# Altium PCB FMC_ADC_100M_10B_16CHA_TDC.PcbDoc (part 3 of 12)
Units mil, origin at the board's own origin, x right, y up, seen from the top; angles counter-clockwise.
Board outline 3037.39 x 2716.54 mil, 6 copper layers (TOP, G1, L2, L3, P3, BOTTOM), stack 50.475 mil thick; 720 components, 633 nets, 2798 pads, 1593 vias.
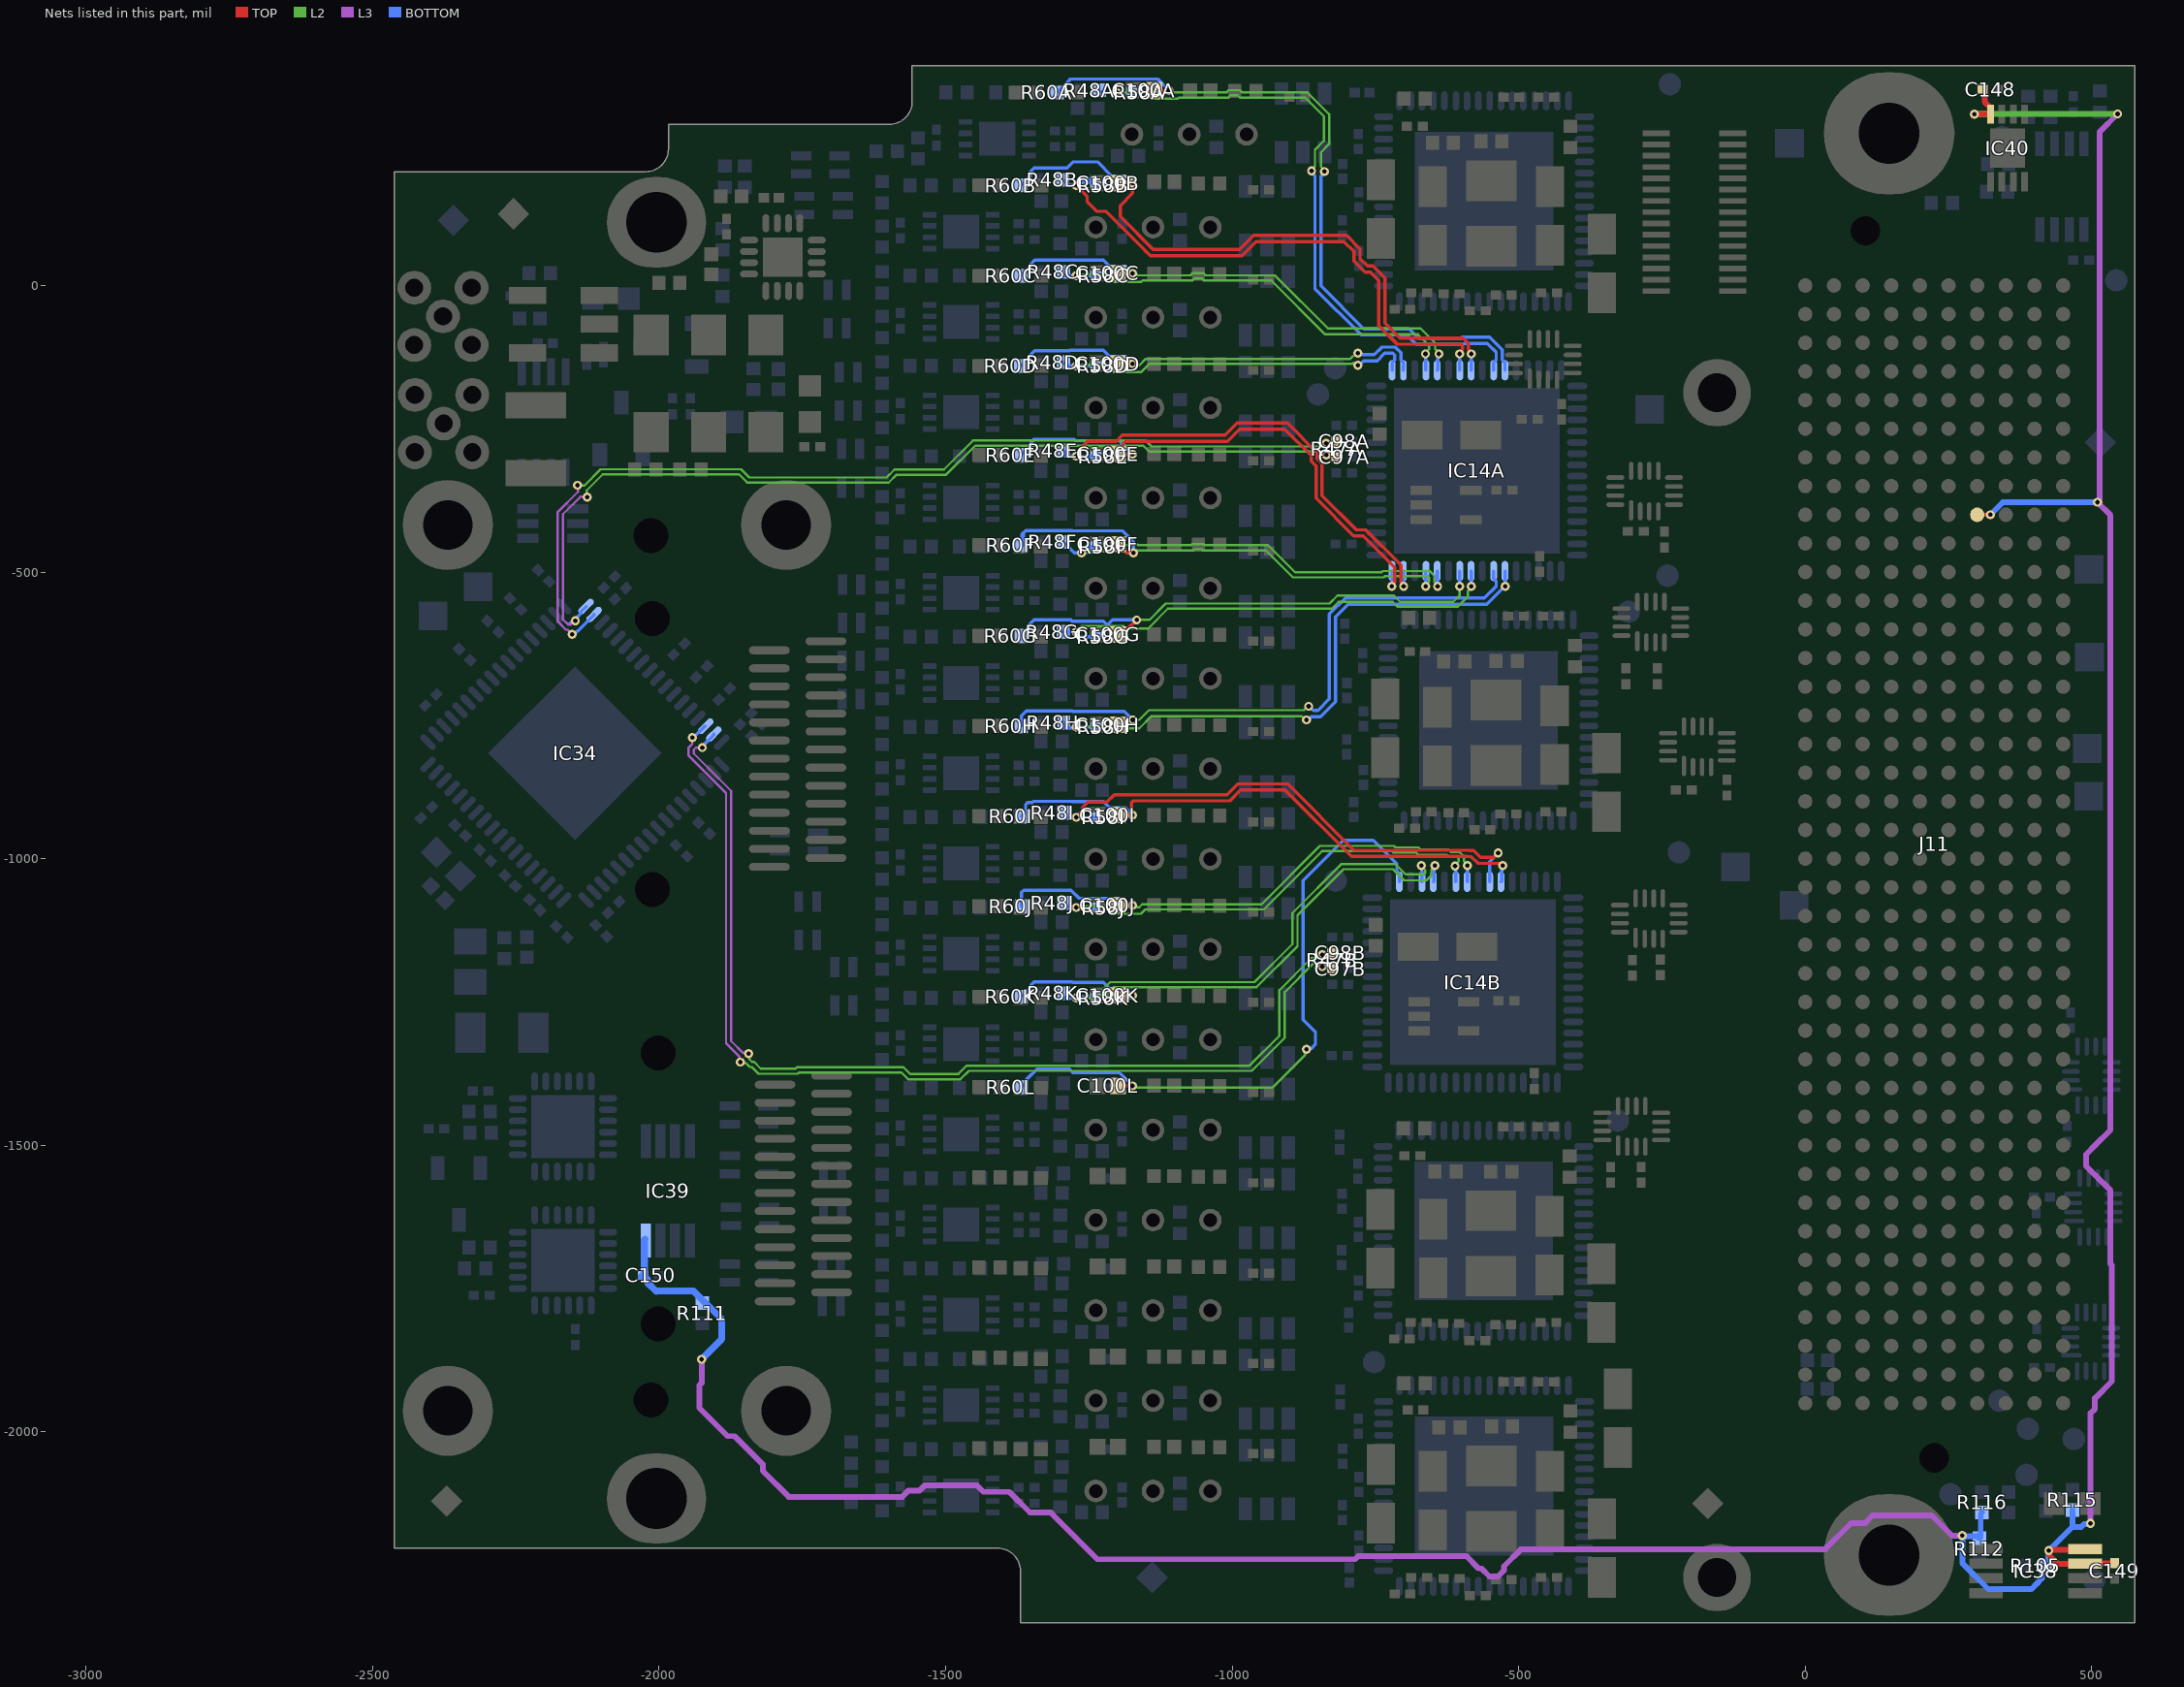
[diagram p7: the nets of this part, all layers, seen from the top]

## Footprints (in the part's own frame and the unit in brackets; to place one, negate y for a bottom-side part, rotate by r counter-clockwise, add the part's x,y. Pads: shape width x height; smd on the part's side, far side on the other; paste and mask are expansions set on the pad) (continued)
SAMTEC_ASP-134488-01 [mm] "Connector VITA 57, 400 Male contacts in 10 row abcdefghj"
  round 1 hole 1.3 unplated mask+0.3: 1(-27.191,-3.048) 2(27.191,0)
  round 0.64 smd: a1(24.765,5.715) a2(23.495,5.715) a3(22.225,5.715) a4(20.955,5.715) a5(19.685,5.715) a6(18.415,5.715) a7(17.145,5.715) a8(15.875,5.715) a9(14.605,5.715) a10(13.335,5.715) a11(12.065,5.715) a12(10.795,5.715) a13(9.525,5.715) a14(8.255,5.715) a15(6.985,5.715) a16(5.715,5.715) a17(4.445,5.715) a18(3.175,5.715) a19(1.905,5.715) a20(0.635,5.715) a21(-0.635,5.715) a22(-1.905,5.715) a23(-3.175,5.715) a24(-4.445,5.715) a25(-5.715,5.715) a26(-6.985,5.715) a27(-8.255,5.715) a28(-9.525,5.715) a29(-10.795,5.715) a30(-12.065,5.715) a31(-13.335,5.715) a32(-14.605,5.715) a33(-15.875,5.715) a34(-17.145,5.715) a35(-18.415,5.715) a36(-19.685,5.715) a37(-20.955,5.715) a38(-22.225,5.715) a39(-23.495,5.715) a40(-24.765,5.715) b1(24.765,4.445) b2(23.495,4.445) b3(22.225,4.445) b4(20.955,4.445) b5(19.685,4.445) b6(18.415,4.445) b7(17.145,4.445) b8(15.875,4.445) b9(14.605,4.445) b10(13.335,4.445) b11(12.065,4.445) b12(10.795,4.445) b13(9.525,4.445) b14(8.255,4.445) b15(6.985,4.445) b16(5.715,4.445) b17(4.445,4.445) b18(3.175,4.445) b19(1.905,4.445) b20(0.635,4.445) b21(-0.635,4.445) b22(-1.905,4.445) b23(-3.175,4.445) b24(-4.445,4.445) b25(-5.715,4.445) b26(-6.985,4.445) b27(-8.255,4.445) b28(-9.525,4.445) b29(-10.795,4.445) b30(-12.065,4.445) b31(-13.335,4.445) b32(-14.605,4.445) b33(-15.875,4.445) b34(-17.145,4.445) b35(-18.415,4.445) b36(-19.685,4.445) b37(-20.955,4.445) b38(-22.225,4.445) b39(-23.495,4.445) b40(-24.765,4.445) c1(24.765,3.175) c2(23.495,3.175) c3(22.225,3.175) c4(20.955,3.175) c5(19.685,3.175) c6(18.415,3.175) c7(17.145,3.175) c8(15.875,3.175) c9(14.605,3.175) c10(13.335,3.175) c11(12.065,3.175) c12(10.795,3.175) c13(9.525,3.175) c14(8.255,3.175) c15(6.985,3.175) c16(5.715,3.175) c17(4.445,3.175) c18(3.175,3.175) c19(1.905,3.175) c20(0.635,3.175) c21(-0.635,3.175) c22(-1.905,3.175) c23(-3.175,3.175) c24(-4.445,3.175) c25(-5.715,3.175) c26(-6.985,3.175) c27(-8.255,3.175) c28(-9.525,3.175) c29(-10.795,3.175) c30(-12.065,3.175) c31(-13.335,3.175) c32(-14.605,3.175) c33(-15.875,3.175) c34(-17.145,3.175) c35(-18.415,3.175) c36(-19.685,3.175) c37(-20.955,3.175) c38(-22.225,3.175) c39(-23.495,3.175) c40(-24.765,3.175) d1(24.765,1.905) d2(23.495,1.905) d3(22.225,1.905) d4(20.955,1.905) d5(19.685,1.905) d6(18.415,1.905) d7(17.145,1.905) d8(15.875,1.905) d9(14.605,1.905) d10(13.335,1.905) d11(12.065,1.905) d12(10.795,1.905) d13(9.525,1.905) d14(8.255,1.905) d15(6.985,1.905) d16(5.715,1.905) d17(4.445,1.905) d18(3.175,1.905) d19(1.905,1.905) d20(0.635,1.905) d21(-0.635,1.905) d22(-1.905,1.905) d23(-3.175,1.905) d24(-4.445,1.905) d25(-5.715,1.905) d26(-6.985,1.905) d27(-8.255,1.905) d28(-9.525,1.905) d29(-10.795,1.905) d30(-12.065,1.905) d31(-13.335,1.905) d32(-14.605,1.905) d33(-15.875,1.905) d34(-17.145,1.905) d35(-18.415,1.905) d36(-19.685,1.905) d37(-20.955,1.905) d38(-22.225,1.905) d39(-23.495,1.905) d40(-24.765,1.905) e1(24.765,0.635) e2(23.495,0.635) e3(22.225,0.635) e4(20.955,0.635) e5(19.685,0.635) e6(18.415,0.635) e7(17.145,0.635) e8(15.875,0.635) e9(14.605,0.635) e10(13.335,0.635) e11(12.065,0.635) e12(10.795,0.635) e13(9.525,0.635) e14(8.255,0.635) e15(6.985,0.635) e16(5.715,0.635) e17(4.445,0.635) e18(3.175,0.635) e19(1.905,0.635) e20(0.635,0.635) e21(-0.635,0.635) e22(-1.905,0.635) e23(-3.175,0.635) e24(-4.445,0.635) e25(-5.715,0.635) e26(-6.985,0.635) e27(-8.255,0.635) e28(-9.525,0.635) e29(-10.795,0.635) e30(-12.065,0.635) e31(-13.335,0.635) e32(-14.605,0.635) e33(-15.875,0.635) e34(-17.145,0.635) e35(-18.415,0.635) e36(-19.685,0.635) e37(-20.955,0.635) e38(-22.225,0.635) e39(-23.495,0.635) e40(-24.765,0.635) f1(24.765,-0.635) f2(23.495,-0.635) f3(22.225,-0.635) f4(20.955,-0.635) f5(19.685,-0.635) f6(18.415,-0.635) f7(17.145,-0.635) f8(15.875,-0.635) f9(14.605,-0.635) f10(13.335,-0.635) f11(12.065,-0.635) f12(10.795,-0.635) f13(9.525,-0.635) f14(8.255,-0.635) f15(6.985,-0.635) f16(5.715,-0.635) f17(4.445,-0.635) f18(3.175,-0.635) f19(1.905,-0.635) f20(0.635,-0.635) f21(-0.635,-0.635) f22(-1.905,-0.635) f23(-3.175,-0.635) f24(-4.445,-0.635) f25(-5.715,-0.635) f26(-6.985,-0.635) f27(-8.255,-0.635) f28(-9.525,-0.635) f29(-10.795,-0.635) f30(-12.065,-0.635) f31(-13.335,-0.635) f32(-14.605,-0.635) f33(-15.875,-0.635) f34(-17.145,-0.635) f35(-18.415,-0.635) f36(-19.685,-0.635) f37(-20.955,-0.635) f38(-22.225,-0.635) f39(-23.495,-0.635) f40(-24.765,-0.635) g1(24.765,-1.905) g2(23.495,-1.905) g3(22.225,-1.905) g4(20.955,-1.905) g5(19.685,-1.905) g6(18.415,-1.905) g7(17.145,-1.905) g8(15.875,-1.905) g9(14.605,-1.905) g10(13.335,-1.905) g11(12.065,-1.905) g12(10.795,-1.905) g13(9.525,-1.905) g14(8.255,-1.905) g15(6.985,-1.905) g16(5.715,-1.905) g17(4.445,-1.905) g18(3.175,-1.905) g19(1.905,-1.905) g20(0.635,-1.905) g21(-0.635,-1.905) g22(-1.905,-1.905) g23(-3.175,-1.905) g24(-4.445,-1.905) g25(-5.715,-1.905) g26(-6.985,-1.905) g27(-8.255,-1.905) g28(-9.525,-1.905) g29(-10.795,-1.905) g30(-12.065,-1.905) g31(-13.335,-1.905) g32(-14.605,-1.905) g33(-15.875,-1.905) g34(-17.145,-1.905) g35(-18.415,-1.905) g36(-19.685,-1.905) g37(-20.955,-1.905) g38(-22.225,-1.905) g39(-23.495,-1.905) g40(-24.765,-1.905) h1(24.765,-3.175) h2(23.495,-3.175) h3(22.225,-3.175) h4(20.955,-3.175) h5(19.685,-3.175) h6(18.415,-3.175) h7(17.145,-3.175) h8(15.875,-3.175) h9(14.605,-3.175) h10(13.335,-3.175) h11(12.065,-3.175) h12(10.795,-3.175) h13(9.525,-3.175) h14(8.255,-3.175) h15(6.985,-3.175) h16(5.715,-3.175) h17(4.445,-3.175) h18(3.175,-3.175) h19(1.905,-3.175) h20(0.635,-3.175) h21(-0.635,-3.175) h22(-1.905,-3.175) h23(-3.175,-3.175) h24(-4.445,-3.175) h25(-5.715,-3.175) h26(-6.985,-3.175) h27(-8.255,-3.175) h28(-9.525,-3.175) h29(-10.795,-3.175) h30(-12.065,-3.175) h31(-13.335,-3.175) h32(-14.605,-3.175) h33(-15.875,-3.175) h34(-17.145,-3.175) h35(-18.415,-3.175) h36(-19.685,-3.175) h37(-20.955,-3.175) h38(-22.225,-3.175) h39(-23.495,-3.175) h40(-24.765,-3.175) j1(24.765,-4.445) j2(23.495,-4.445) j3(22.225,-4.445) j4(20.955,-4.445) j5(19.685,-4.445) j6(18.415,-4.445) j7(17.145,-4.445) j8(15.875,-4.445) j9(14.605,-4.445) j10(13.335,-4.445) j11(12.065,-4.445) j12(10.795,-4.445) j13(9.525,-4.445) j14(8.255,-4.445) j15(6.985,-4.445) j16(5.715,-4.445) j17(4.445,-4.445) j18(3.175,-4.445) j19(1.905,-4.445) j20(0.635,-4.445) j21(-0.635,-4.445) j22(-1.905,-4.445) j23(-3.175,-4.445) j24(-4.445,-4.445) j25(-5.715,-4.445) j26(-6.985,-4.445) j27(-8.255,-4.445) j28(-9.525,-4.445) j29(-10.795,-4.445) j30(-12.065,-4.445) j31(-13.335,-4.445) j32(-14.605,-4.445) j33(-15.875,-4.445) j34(-17.145,-4.445) j35(-18.415,-4.445) j36(-19.685,-4.445) j37(-20.955,-4.445) j38(-22.225,-4.445) j39(-23.495,-4.445) j40(-24.765,-4.445) k1(24.765,-5.715) k2(23.495,-5.715) k3(22.225,-5.715) k4(20.955,-5.715) k5(19.685,-5.715) k6(18.415,-5.715) k7(17.145,-5.715) k8(15.875,-5.715) k9(14.605,-5.715) k10(13.335,-5.715) k11(12.065,-5.715) k12(10.795,-5.715) k13(9.525,-5.715) k14(8.255,-5.715) k15(6.985,-5.715) k16(5.715,-5.715) k17(4.445,-5.715) k18(3.175,-5.715) k19(1.905,-5.715) k20(0.635,-5.715) k21(-0.635,-5.715) k22(-1.905,-5.715) k23(-3.175,-5.715) k24(-4.445,-5.715) k25(-5.715,-5.715) k26(-6.985,-5.715) k27(-8.255,-5.715) k28(-9.525,-5.715) k29(-10.795,-5.715) k30(-12.065,-5.715) k31(-13.335,-5.715) k32(-14.605,-5.715) k33(-15.875,-5.715) k34(-17.145,-5.715) k35(-18.415,-5.715) k36(-19.685,-5.715) k37(-20.955,-5.715) k38(-22.225,-5.715) k39(-23.495,-5.715) k40(-24.765,-5.715)
  silkscreen extent -27.89,-7.34 28.78,7.34, body extent -27.89,-7.34 28.78,7.34, height 5.61
SDA08C [mm] "SON, 8-Leads, Body 2.5x3mm, Pitch 0.5mm, NSC Recommended"
  rect 0.6x0.25 smd paste-0.125 mask+0.051: 1(-1.4,0.75) 2(-1.4,0.25) 3(-1.4,-0.25) 4(-1.4,-0.75) 5(1.4,-0.75) 6(1.4,-0.25) 7(1.4,0.25) 8(1.4,0.75)
  rect 1.6x1.5 smd paste-0.05 mask+0.051: 9(0,0)
  silkscreen extent -2.53,-1.45 1.85,1.52, body extent -1.55,-1.3 1.55,1.3, height 0.8
SON50P300X200X100-9N-S175X155 [mm] "SON (DFN), 0.50mm pitch, 8 pin, 2mm X 3mm X 1.00mm H body (w/thermal tab 1.75 X 1.55mm),  IPC Medium Density"
  rect 0.85x0.3 smd: 1(-1.5,0.75) 2(-1.5,0.25) 3(-1.5,-0.25) 4(-1.5,-0.75) 5(1.5,-0.75) 6(1.5,-0.25) 7(1.5,0.25) 8(1.5,0.75)
  rect 1.75x1.55 smd: 9(0,0)
  silkscreen extent -2.52,0.63 -2.28,0.87, body extent -1.5,-1 1.5,1, height 1.02
SOP65P400X130-8N [mm] "SOP, 0.65mm, Pitch; 8 Pin, 2.80mm W X 2.95mm L X 1.30mm H Body, PC Medium Density"
  rect 1.1x0.4 smd: 1(-1.9,0.975) 2(-1.9,0.325) 3(-1.9,-0.325) 4(-1.9,-0.975) 5(1.9,-0.975) 6(1.9,-0.325) 7(1.9,0.325) 8(1.9,0.975)
  silkscreen extent -2.32,-1.5 1.02,1.83, body extent -2.15,-1.57 2.15,1.58, height 1.3
SOP65P490X109-8N [mm] "SOP, 0.65mm pitch; 8 pin,3.00mm W X 3.00mm L X 1.09mm H bodyI, PC Medium Density"
  rect 1.5x0.45 smd: 1(-2.2,0.975) 2(-2.2,0.325) 3(-2.2,-0.325) 4(-2.2,-0.975) 5(2.2,-0.975) 6(2.2,-0.325) 7(2.2,0.325) 8(2.2,0.975)
  silkscreen extent -2.82,-1.5 1.12,1.82, body extent -2.45,-1.55 2.45,1.55, height 1.09
SOT65P210X110-5N [mm] "SOT353, SC70-5, SOT, 0.65mm Pitch, 5 pin, 1.25mm W X 2.00mm L X 1.10mm H, IPC Medium Density"
  rect 0.95x0.4 smd: 1(-1.1,0.65) 2(-1.1,0) 3(-1.1,-0.65) 4(1.1,-0.65) 5(1.1,0.65)
  silkscreen extent -1.42,-1 0.3,1.47, body extent -1.2,-1.1 1.2,1.1, height 1.1
SOT65P210X110-6N [mm] "SOT363, SC70-6, SOT, 0.65mm Pitch, 6 pin, 1.25mm W X 2.00mm L X 1.10mm H, IPC Medium Density"
  rect 0.95x0.4 smd: 1(-1.1,0.65) 2(-1.1,0) 3(-1.1,-0.65) 4(1.1,-0.65) 5(1.1,0) 6(1.1,0.65)
  silkscreen extent -1.42,-1 0.3,1.47, body extent -1.2,-1.1 1.2,1.1, height 1.1
SOT95P237X112-3N [mm] "SOT, 0.95mm, pitch; 3 pin,1.30mm W X 2.92mm L X 1.12mm H body, IPC Medium Density"
  rect 1.05x0.6 smd: 1(-1.15,0.95) 2(-1.15,-0.95) 3(1.15,0)
  silkscreen extent -1.52,-1.45 0.3,1.87, body extent -1.25,-1.5 1.25,1.5, height 1.1
SOT95P240X110-3N [mm] "SOT23 3-Leads, Pitch 0.95mm, Body 1.3x2.9mm, IPC Medium Density"
  rect 1.05x0.65 smd: 1(-1.15,0.95) 2(-1.15,-0.95) 3(1.15,0)
  silkscreen extent -1.53,-1.45 0.3,1.92, body extent -1.25,-1.5 1.25,1.5, height 1.1
SOT95P285X100-6N [mm] "SOT230, 0.95mm, pitch; 6 pin, 1.65mm W X 2.97mm L X 1.00mm H body IPC Medium Density"
  rect 1x0.6 smd: 1(-1.3,0.95) 2(-1.3,0) 3(-1.3,-0.95) 4(1.3,-0.95) 5(1.3,0) 6(1.3,0.95)
  silkscreen extent -1.67,-1.5 0.48,1.88, body extent -1.4,-1.5 1.48,1.5, height 1
TPS127 [mil] "1.27 x  1.27mm SMD Test Point Area"
  rect 50x50 smd paste-50: 1(0,0)
  silkscreen extent -37,-37 37,37
TYCO_1761987-7 [mm] "20 Position, Pitch 0.8mm SAS Receptacle"
  rrect100% 1.8x0.35 smd: A1(5.18,10.6) A2(5.18,9.8) A3(5.18,9) A4(5.18,8.2) A5(5.18,7.4) A6(5.18,6.6) A7(5.18,5.8) A8(5.18,5) A9(5.18,4.2) A10(5.18,3.4) A11(5.18,2.6) A12(5.18,1.8) A13(5.18,1) B1(7.69,11) B2(7.69,10.2) B3(7.69,9.4) B4(7.69,8.6) B5(7.69,7.8) B6(7.69,7) B7(7.69,6.2) B8(7.69,5.4) B9(7.69,4.6) B10(7.69,3.8) B11(7.69,3) B12(7.69,2.2) B13(7.69,1.4)
  round 0.5 hole 1.55 unplated mask+0.525: MTG1(0,12) MTG2(0,0)
  silkscreen extent -2.9,-0.75 8.6,12.65, body extent -2.9,-0.7 8.94,12.7, height 5.35
TYCO_1888321-2 [mm] "SAS 2x1 Cage"
  round 4 / inner round 2.6 / far side round 4 hole 2.2: 1(-9,38.775) 2(-9,-0.475) 3(6,38.775) 4(6,-0.475)
  round 1 hole 1.55 unplated: 7(0,38.3) 8(0,0)
  silkscreen extent -25,-2.6 13.75,40.9, body extent -25,-2.6 13.75,40.9, height 9.42
XFMR_MINI-CIRCUITS_AT224-1 [mm] "MINI-CIRCUITS RF Transformer, Case AT224-1 - Body 3.81X3.81mm"
  rect 0.76x1.65 smd: 1(-1.27,1.59) 2(0,1.59) 3(1.27,1.59) 4(1.27,-1.59) 6(-1.27,-1.59)
  silkscreen extent -2.3,-0.37 1.91,1.73, body extent -1.9,-1.9 1.91,1.91, height 4.06

## Part data
B3 B4 B7 B8: library part PLATED_HOLE3.0_PAD6.0, "Single Terminal Socket", Author="CERN DEM JLC", ComponentHeight=0mm, Component Type="Standard (No BOM)", CreateDate=26.05.2008, Family="Plated Hole", LatestRevisionDate=26.05.2008, Mounted=No, PackageDescription="Plated Through Hole: Hole Dia.=3.0mm Pad Dia.=6.0mm", Part Description="Plated Through Hole: Hole Dia.=3.0mm Pad Dia.=6.0mm", Part Number=PLATED_HOLE3.0_PAD6.0, Pin Count=1, SMD=No, Socket=No, Status=None, Table=Pads
B5 B6: library part PLATED_HOLE1.6_PAD3.0, "Single Terminal Socket", Author="CERN DEM JMW", ComponentHeight=0mm, Component Type="Standard (No BOM)", CreateDate=05.11.2009, Family="Plated Hole", HelpURL=Undefined, LatestRevisionDate=05.11.2009, Mounted=No, PackageDescription="Plated Through Hole: Hole Dia.=1.6mm Pad Dia.=3.0mm", Part Description="Plated Through Hole: Hole Dia.=1.6mm Pad Dia.=3.0mm", Part Number=PLATED_HOLE1.6_PAD3.0, Pin Count=1, Sense=No, SMD=No, Socket=No, Status=None
B9 B10 B12 B13 B14 B15 B18 B21 B22 B23 B24 B25 B26 B27 B28 B29 B30: library part SMD_PAD_D1MM, "Through Hole Pad", Author="CERN DEM JLC", ComponentHeight=0mm, Component Type="Standard (No BOM)", CreateDate=10.10.2017, Family="SMD Pad", HelpURL=Undefined, LatestRevisionDate=10.10.2017, Mounted=No, PackageDescription="1mm Diameter SMD Pad", Part Description="1mm Diameter SMD Pad", Part Number=SMD_PAD_D1MM, Pin Count=1, Sense=No, SMD=No, Socket=No, Status=None
C1 C107: library part CC0603_4.7UF_6.3V_10%_X5R, "Non-polarised capacitor", Case=0603, Manufacturer=GENERIC, Manufacturer1 ComponentHeight=0.87mm, Manufacturer1 Example=PHYCOMP, Manufacturer1 Part Number=225520613672, Manufacturer Part Number=CC0603_4.7uF_6.3V_10%_X5R, Tolerance=±10%, Voltage=6.3V, Author="CERN DEM JLC", Component Type=Standard, CreateDate=03.12.2007, HelpURL=\\cern.ch\dfs\Applications\Altium\Datasheets\CC0805_X5R_PHYCOMP_HC.pdf, LatestRevisionDate=03.12.2007, Mounted=Yes, Part Description="SMD Multilayer Chip Ceramic Capacitor", Part Number=CC0603_4.7UF_6.3V_10%_X5R, Pin Count=2, Sense=No, SMD=Yes, Socket=No, Status=Preferred, TC=X5R
C92A C92B C273A C273B C273C C273D C278A C278B C278C C278D: library part CTE3216-18_33UF_4V_10%, "Polarised capacitor", Case=A, Manufacturer=GENERIC, Manufacturer1 ComponentHeight=1.8mm, Manufacturer1 Example=AVX, Manufacturer1 Part Number=TAJA336K004R, Tolerance=±10%, Voltage=4V, Author="CERN DEM JLC", Component Type=Standard, CreateDate=03.12.2007, HelpURL=\\cern.ch\dfs\Applications\Altium\Datasheets\CTE_AVX_TAJ.pdf, LatestRevisionDate=03.12.2007, Manufacturer Part Number=CTE3216-18_33UF_4V_10%, Mounted=Yes, Part Description="Solid Tantalum Chip Capacitor", Part Number=CTE3216-18_33UF_4V_10%, Pin Count=2, Sense=No, SMD=Yes, Socket=No, Status=Preferred
C93A C93B C94A C94B C95A C95B C96A C96B C97A C97B C98A C98B C103A C103B C103C C103D C103E C103F C103G C103H C103I C103J C103K C103L C103M C103N C103O C103P C105A C105B C105C C105D C105E C105F C105G C105H C105I C105J C105K C105L C105M C105N C105O C105P C106 C110 C112 C113 C114A C114B C115 C119 C120 C121 C122 C123 C124 C125 C126 C127 C128 C134 C135 C137 C138 C139 C140 C141 C142 C143 C144 C145 C146 C147 C148 C149 C150 C181 C184 C274A C274B C274C C274D C276A C276B C276C C276D C277A C277B C277C C277D C279A C279B C279C C279D C281A C281B C281C C281D C282A C282B C282C C282D C284A C284B C284C C284D C285A C285B C285C C285D C287A C287B C287C C287D C288 C289 C290 C291 C292 C293 C294 C295 C296 C297 C298 C299 C300 C301 C302 C303 C304 C305 C306: library part CC0201_100NF_6.3V_10%_X5R, "Non-polarised capacitor", Case=0201, Manufacturer=GENERIC, Manufacturer1 ComponentHeight=0.33mm, Manufacturer1 Example=AVX, Manufacturer1 Part Number=02016D104KAT2A, Tolerance=±10%, Voltage=6.3V, Author="CERN DEM JLC", Component Type=Standard, HelpURL=\\cern.ch\dfs\Applications\Altium\Datasheets\CC0201_X5R_AVX.pdf, Manufacturer Part Number=CC0201_100NF_6.3V_10%_X5R, Mounted=Yes, Part Description="SMD Multilayer Chip Ceramic Capacitor", Part Number=CC0201_100NF_6.3V_10%_X5R, Pin Count=2, SMD=Yes, Socket=No, Status="Not Recommended", TC=X5R
  C93A C93B C94A C94B C95A C95B C96A C96B C97A C97B C98A C98B C103A C103B C103C C103D C103E C103F C103G C103H C103I C103J C103K C103L C103M C103N C103O C103P C105A C105B C105C C105D C105E C105F C105G C105H C105I C105J C105K C105L C105M C105N C105O C105P C106 C110 C112 C114A C114B C115 C119 C120 C121 C122 C123 C124 C125 C126 C127 C128 C134 C135 C137 C138 C139 C140 C141 C142 C143 C144 C145 C146 C147 C184 C274A C274B C274C C274D C276A C276B C276C C276D C277A C277B C277C C277D C279A C279B C279C C279D C281A C281B C281C C281D C282A C282B C282C C282D C284A C284B C284C C284D C285A C285B C285C C285D C287A C287B C287C C287D C288 C289 C290 C291 C292 C293 C294 C295 C296 C297 C298 C299 C300 C301 C302 C303 C304 C305 C306: CreateDate=03.12.2007, LatestRevisionDate=03.12.2007, Sense=No
  C113 C148 C149 C150 C181: CreateDate=2007-12-03, LatestRevisionDate=2007-12-03, Table="Capacitors SMD"
C99A C99B C99C C99D C99E C99F C99G C99H C99I C99J C99K C99L C99M C99N C99O C99P: library part CC0402_220PF_50V_5%_C0G, "Non-polarised capacitor", Case=0402, Manufacturer=GENERIC, Manufacturer1 ComponentHeight=0.55mm, Manufacturer1 Example=KEMET, Manufacturer1 Part Number=C0402C221J5GACTU, Tolerance=±5%, Voltage=50V, Author="CERN DEM JLC", Component Type=Standard, CreateDate=03.12.2007, HelpURL="\\cern.ch\dfs\Applications\Altium\Datasheets\CC0805_C0G_KEMET_(Commercial Grade).pdf", LatestRevisionDate=22.04.2015, Manufacturer Part Number=CC0402_220PF_50V_5%_C0G, Mounted=Yes, Part Description="SMD Multilayer Chip Ceramic Capacitor", Part Number=CC0402_220PF_50V_5%_C0G, Pin Count=2, Sense=No, SMD=Yes, Socket=No, Status=Preferred, TC=C0G/NP0
C100A C100B C100C C100D C100E C100F C100G C100H C100I C100J C100K C100L C100M C100N C100O C100P: library part CC0402_6.8PF_50V_0.25PF_C0G_VISHAY_VJ_NON-MAGNETIC, "Non-polarised capacitor", Case=0402, Manufacturer="VISHAY VITRAMON", Manufacturer Part Number=VJ0402A6R8CCAA, Tolerance=±0.25pF, Voltage=50V, Author="CERN DEM MR", ComponentHeight=0.64mm, Component Type=Standard, CreateDate=22.06.2016, HelpURL=\\cern.ch\dfs\Applications\Altium\Datasheets\CC0402_VISHAY_VJ_NON-MAGNETIC.pdf, LatestRevisionDate=03.03.2017, Mounted=Yes, Part Description="Surface Mount Multilayer Ceramic Chip Capacitors for Non-Magnetic Applications (IR Reflow Soldering)", Part Number=CC0402_6.8PF_50V_0.25PF_C0G_VISHAY_VJ_NON-MAGNETIC, Pin Count=2, Sense=No, SMD=Yes, Socket=No, Status="Not Recommended", TC=C0G/NP0
C101A C101B C101C C101D C101E C101F C101G C101H C101I C101J C101K C101L C101M C101N C101O C101P C102A C102B C102C C102D C102E C102F C102G C102H C102I C102J C102K C102L C102M C102N C102O C102P C182: library part CC0201_10NF_10V_10%_X5R, "Non-polarised capacitor", Case=0201, Manufacturer=GENERIC, Manufacturer1 ComponentHeight=0.33mm, Manufacturer1 Example=AVX, Manufacturer1 Part Number=0201ZD103KAT2A, Tolerance=±10%, Voltage=10V, Author="CERN DEM JLC", Component Type=Standard, HelpURL=\\cern.ch\dfs\Applications\Altium\Datasheets\CC0201_X5R_AVX.pdf, Manufacturer Part Number=CC0201_10NF_10V_10%_X5R, Mounted=Yes, Part Description="SMD Multilayer Chip Ceramic Capacitor", Part Number=CC0201_10NF_10V_10%_X5R, Pin Count=2, SMD=Yes, Socket=No, Status="Not Recommended", TC=X5R
  C101A C101B C101C C101D C101E C101F C101G C101H C101I C101J C101K C101L C101M C101N C101O C101P C102A C102B C102C C102D C102E C102F C102G C102H C102I C102J C102K C102L C102M C102N C102O C102P: CreateDate=03.12.2007, LatestRevisionDate=03.12.2007, Sense=No
  C182: CreateDate=2007-12-03, LatestRevisionDate=2007-12-03, Table="Capacitors SMD"
C104A C104B C104C C104D C104E C104F C104G C104H C104I C104J C104K C104L C104M C104N C104O C104P: library part CC0402_10NF_16V_10%_X7R, "Non-polarised capacitor", Case=0402, Manufacturer=GENERIC, Manufacturer1 ComponentHeight=0.55mm, Manufacturer1 Example=PHYCOMP, Manufacturer1 Part Number=223878715636, Tolerance=±10%, Voltage=16V, Author="CERN DEM JLC", Component Type=Standard, CreateDate=03.12.2007, HelpURL=\\cern.ch\dfs\Applications\Altium\Datasheets\CC0402_X7R_PHYCOMP.pdf, LatestRevisionDate=03.12.2007, Manufacturer Part Number=CC0402_10NF_16V_10%_X7R, Mounted=Yes, Part Description="SMD Multilayer Chip Ceramic Capacitor", Part Number=CC0402_10NF_16V_10%_X7R, Pin Count=2, Sense=No, SMD=Yes, Socket=No, Status="Not Recommended", TC=X7R
C111 C136: library part CC0402_470NF_6.3V_10%_X5R, "Non-polarised capacitor", Case=0402, Manufacturer=GENERIC, Manufacturer1 ComponentHeight=0.55mm, Manufacturer1 Example=MURATA, Manufacturer1 Part Number=GRM155R60J474KE19D, Tolerance=±10%, Voltage=6.3V, Author="CERN DEM JLC", Component Type=Standard, CreateDate=22.04.2010, HelpURL=\\cern.ch\dfs\Applications\Altium\Datasheets\CC0402_X5R_MURATA_GRM.pdf, LatestRevisionDate=22.04.2010, Manufacturer Part Number=CC0402_470NF_6.3V_10%_X5R, Mounted=Yes, Part Description="SMD Multilayer Chip Ceramic Capacitor", Part Number=CC0402_470NF_6.3V_10%_X5R, Pin Count=2, Sense=No, SMD=Yes, Socket=No, Status=Preferred, TC=X5R
C116: library part CC0805_5.6NF_50V_5%_C0G, "Non-polarised capacitor", Case=0805, Manufacturer=GENERIC, Manufacturer1 ComponentHeight=0.85mm, Manufacturer1 Example=Murata, Manufacturer1 Part Number=GRM2195C1H562JA01D, Tolerance=±5%, Voltage=50V, Component Type=Standard, Manufacturer Part Number=CC0805_5.6NF_50V_5%_C0G, Mounted=Yes, Part Description="SMD Multilayer Chip Ceramic Capacitor", Part Number=CC0805_5.6NF_50V_5%_C0G, Pin Count=2, Sense=No, SMD=Yes, Socket=No, Status=Preferred, TC=C0G/NP0
C117: library part CC1206_820NF_25V_10%_X7R, "Non-polarised capacitor", Case=1206, Manufacturer=GENERIC, Manufacturer1 ComponentHeight=1.25mm, Manufacturer1 Example=AVX, Manufacturer1 Part Number=12063C824KAT2A, Tolerance=±10%, Voltage=25V, Component Type=Standard, Manufacturer Part Number=CC1206_820NF_25V_10%_X7R, Mounted=Yes, Part Description="SMD Multilayer Chip Ceramic Capacitor", Part Number=CC1206_820NF_25V_10%_X7R, Pin Count=2, Sense=No, SMD=Yes, Socket=No, TC=X7R
C118: library part CC0603_1.2NF_50V_5%_C0G, "Non-polarised capacitor", Case=0603, Manufacturer=GENERIC, Manufacturer1 ComponentHeight=0.8mm, Manufacturer1 Example=KEMET, Manufacturer1 Part Number=C0603C122J5GACTU, Tolerance=±5%, Voltage=50V, Component Type=Standard, Manufacturer Part Number=CC0603_1.2NF_50V_5%_C0G, Mounted=Yes, Part Description="SMD Multilayer Chip Ceramic Capacitor", Part Number=CC0603_1.2NF_50V_5%_C0G, Pin Count=2, Sense=No, SMD=Yes, Socket=No, Status=Preferred, TC=C0G/NP0
C183: library part CC0402_1UF_16V_10%_X5R, "Non-polarised capacitor", Case=0402, Manufacturer=GENERIC, Manufacturer1 ComponentHeight=0.55mm, Manufacturer1 Example=TDK, Manufacturer1 Part Number=C1005X5R1C105KT, Tolerance=±10%, Voltage=16V, Author="CERN DEM JLC", Component Type=Standard, CreateDate=2012-10-25, HelpURL=\\cern.ch\dfs\Applications\Altium\Datasheets\CC0402_X5R_TDK_C.pdf, LatestRevisionDate=2012-10-25, Manufacturer Part Number=CC0402_1UF_16V_10%_X5R, Mounted=Yes, Part Description="SMD Multilayer Chip Ceramic Capacitor", Part Number=CC0402_1UF_16V_10%_X5R, Pin Count=2, Sense=No, SMD=Yes, Socket=No, Status=Preferred, TC=X5R
C275 C280A C280B C280C C280D C283A C283B C283C C283D: library part CTE3216-18_100UF_6.3V_20%_ESR0500_AVX_TLJ, "Polarised capacitor", Case=A, Manufacturer=AVX, Manufacturer Part Number=TLJA107M006R0500, Tolerance=±20%, Voltage=6.3V, Author="CERN DEM JLC", ComponentHeight=1.8mm, Component Type=Standard, CreateDate=19.12.2013, HelpURL=\\cern.ch\dfs\Applications\Altium\Datasheets\CTE_AVX_TLJ.pdf, LatestRevisionDate=19.12.2013, Mounted=Yes, Part Description="ESR 0R5 Solid Tantalum Chip Capacitor", Part Number=CTE3216-18_100UF_6.3V_20%_ESR0500_AVX_TLJ, Pin Count=2, Sense=No, SMD=Yes, Socket=No, Status=None
C286A C286B C286C C286D: library part CTE3528-21_220UF_2.5V_10%, "Polarised capacitor", Case=B, Manufacturer=GENERIC, Manufacturer1 ComponentHeight=2.1mm, Manufacturer1 Example=AVX, Manufacturer1 Part Number=TAJB227K002R, Tolerance=±10%, Voltage=2.5V, Author="CERN DEM JLC", Component Type=Standard, CreateDate=03.12.2007, HelpURL=\\cern.ch\dfs\Applications\Altium\Datasheets\CTE_AVX_TAJ.pdf, LatestRevisionDate=03.12.2007, Manufacturer Part Number=CTE3528-21_220UF_2.5V_10%, Mounted=Yes, Part Description="Solid Tantalum Chip Capacitor", Part Number=CTE3528-21_220UF_2.5V_10%, Pin Count=2, Sense=No, SMD=Yes, Socket=No, Status=Preferred
Cage1: library part TYCO_1888321-2, "Mini-SAS Cage (6Pins)", Manufacturer="TYCO ELECTRONICS", Manufacturer Part Number=1888321-2, Author="CERN DEM BC", ComponentHeight=8.63mm, Component Type=Standard, CreateDate=04.04.2019, Family=Mini-SAS, HelpURL=\\cern.ch\dfs\Applications\Altium\Datasheets\TYCO_1888321-2.pdf, LatestRevisionDate=04.04.2019, Mounted=Yes, Part Description="Through Hole Dual Port EVERCLEAR Mini-SAS Cage", Part Number=TYCO_1888321-2, Pin Count=10, PressFit=No, Sense=No, SMD=No, Socket=No, Status=None
D1 D3: "Serial Diode", Case=SOT23, Manufacturer=INFINEON, Power=250mA, Voltage=150V, Author="CERN DEM JLC", Component Type=Standard, ComponentHeight=1.1mm, CreateDate=18/1/2010, Device=BAR66, HelpURL=\\cern.ch\dfs\Applications\Altium\Datasheets\BAR66.pdf, LatestRevisionDate=5/10/2010, Manufacturer Part Number=BAR66, Mounted=Yes, PackageDescription="SOT23 3-Leads, Pitch 0.95mm - Body 1.3x2.9mm, IPC Medium Density", Part Description="Silicon PIN Diode Array (Series Connected)", Part Number=BAR66, Pin Count=3, SMD=Yes, Socket=No, Table=Diodes
DL1A DL1B DL1C DL1D DL1E DL1F DL1G DL1H DL1I DL1J DL1K DL1L DL1M DL1N DL1O DL1P: "Fixed SIP Delay Line", Manufacturer=DS1L, Resistance="± 1.0ns", Author=GK, ComponentHeight=9.2, Component Type=Standard, CreateDate=07.05.2012, HelpURL=\\cern.ch\dfs\Applications\Altium\Datasheets\DL_DATA-DELAY-DEVICES_1513.pdf, LatestRevisionDate=07.05.2012, Manufacturer Part Number=DS1L, Mounted=Yes, Part Description="50 Ohm Fixed SIP Delay Line", Part Number=DS1L, Pin Count=2, Sense=No, SMD=No, Socket=No
FTG1 FTG2 FTG3 FTG4 FTG5 FTG6: library part FIDUCIAL_TARGET_S100-200, "Fiducial Target", Author="CERN DEM JLC", ComponentHeight=0mm, Component Type="Standard (No BOM)", CreateDate=9/2/2010, Family=Fiducial, LatestRevisionDate=4/4/2012, Mounted=No, PackageDescription="Square Fiducial Target, Top Layer, 1.0mm, Top Solder 2.0mm, Keepout =2.0mm", Part Description="Square Fiducial Target, Top Layer, 1.0mm, Top Solder 2.0mm, Keepout =2.0mm", Part Number=FIDUCIAL_TARGET_S100-200, Pin Count=1, SMD=Yes, Socket=No, Status=None, Table=Pads
IC1 IC2 IC3 IC4 IC5 IC6 IC7 IC8 IC9: "4-Bit Dual-Supply Bus Transceiver with Configurable Voltage Translation and 3-State Output", Case=QFN16, Manufacturer="TEXAS INSTRUMENTS", Author=GK, Bonding=No, Component Type=Standard, ComponentHeight=0.55mm, CreateDate=08.07.2014, Device=SN74AXC4T245RSV, HelpURL=\\cern.ch\dfs\Applications\Altium\Datasheets\SN74AVC4T245RSVR.pdf, LatestRevisionDate=30.03.2017, Manufacturer Part Number=SN74AXC4T245RSV, Mounted=Yes, PackageDescription="QFN, 0.40mm Pitch, Rect.; 16 Pin, 2.60mm L X 1.80mm W X 0.55mm H Body, IPC Medium Density", Part Description="4-Bit Dual-Supply Bus Transceiver With Configurable Voltage Translation and 3-State Outputs", Part Number=SN74AXC4T245RSV, Pin Count=16, PressFit=No, Sense=No, SMD=Yes, Socket=No, Status=Recommended
IC14A IC14B: "10-Bit, 200-MSPS, 4-Channel and 12-Bit, 80-MSPS, 8-Channel ADC", Case=QFN64, Manufacturer="TEXAS INSTRUMENTS", Author="CERN DEM MR", Bonding=No, ComponentHeight=1mm, Component Type=Standard, CreateDate=23.04.2019, Device=ADS5296ARGC, HelpURL=\\cern.ch\dfs\Applications\Altium\Datasheets\ADS5296ARGC.pdf, LatestRevisionDate=23.04.2019, Manufacturer Part Number=ADS5296ARGC, Mounted=Yes, PackageDescription="QFN, 0.50mm Pitch, Square; 64 Pin, 9.00mm L X 9.00mm W X 1.00mm H Body (7.35 X 7.35mm Thermal Tab), IPC Medium Density", Part Description="10-Bit, 200-MSPS, 4-Channel and 12-Bit, 80-MSPS, 8-Channel ADC", Part Number=ADS5296ARGC, Pin Count=65, PressFit=No, Sense=No, SMD=Yes, Socket=No
IC15A IC15B: "Single Power Supply Single Buffer Gate with 3-State Output CMOS Logic Level Shifter", Case=SOT353, Manufacturer="TEXAS INSTRUMENTS", Author="CERN DEM JLC", Bonding=No, ComponentHeight=1.1mm, Component Type=Standard, CreateDate=13.06.2018, Device=SN74LV1T125DCKR, HelpURL=\\cern.ch\dfs\Applications\Altium\Datasheets\SN74LV1T125DCKR.pdf, LatestRevisionDate=13.06.2018, Manufacturer Part Number=SN74LV1T125DCKR, Mounted=Yes, PackageDescription="SOT353, SC70-5, SOT, 0.65mm Pitch, 5 pin, 1.25mm W X 2.00mm L X 1.10mm H, IPC Medium Density", Part Description="Single Power Supply Single Buffer Gate with 3-State Output CMOS Logic Level Shifter", Part Number=SN74LV1T125DCKR, Pin Count=5, PressFit=No, Sense=No, SMD=Yes, Socket=No
IC20A IC20B IC20C IC20D IC20E IC20F IC20G IC20H IC20I IC20J IC20K IC20L IC20M IC20N IC20O IC20P: library part CMP-0055-00983-1, "900 MHz Fully Differential Amplifier with Output Limiting Clamp, 8-pin LLP", Manufacturer="National Semiconductor", PackageTopMarking=XYTT*6553, PowerWise=Y, CompType=Amplifiers, DatasheetVersion=Nov-2008, PackageDescription="LLP, Plastic, Dual, 2.5 x 3.0 x 0.8mm Body, 8 Lead, 0.5mm Pitch, No Pullback", PackageReference=SDA08C, PackageVersion="revA, Jan-2004", PinCount=8, RoHS=Y
IC32A IC32B IC32C IC32D IC32E IC32F IC32G IC32H IC32I IC32J IC32K IC32L IC32M IC32N IC32O IC32P: "High Speed Comparator with LVDS Output", Case=SOT23-6, Manufacturer="NATIONAL SEMICONDUCTOR", Author="CERN DEM JLC", Bonding=No, ComponentHeight=1mm, Component Type=Standard, CreateDate=30.03.2010, Device=LMH7220MK/NOPB, HelpURL=\\cern.ch\dfs\Applications\Altium\Datasheets\LMH7220MK-NOPB.pdf, LatestRevisionDate=30.03.2010, Manufacturer Part Number=LMH7220MK/NOPB, Mounted=Yes, PackageDescription="0.95mm, pitch; 6 pin, 1.65mm W X 2.97mm L X 1.00mm H body IPC Medium Density", Part Description="High Speed Comparator with LVDS Output", Part Number=LMH7220MK/NOPB, Pin Count=6, PressFit=No, Sense=No, SMD=Yes, Socket=No
IC34: "Clock Generator with 14 LVDS/HSTL Outputs", Case=QFN72, Manufacturer="ANALOG DEVICES", Author="CERN DEM JLC", Bonding=No, ComponentHeight=1mm, Component Type=Standard, CreateDate=11.10.2016, Device=AD9528BCPZ, HelpURL=\\cern.ch\dfs\Applications\Altium\Datasheets\AD9528BCPZ.pdf, LatestRevisionDate=11.10.2016, Manufacturer Part Number=AD9528BCPZ, Mounted=Yes, PackageDescription="QFN,0.50mm Pitch, Square;72 Pin,10.00mm L X 10.00mm W X 1.00mm H Body (W/Thermal Tab 5.45mm X 5.45mm), IPC Medium Density", Part Description="Clock Generator with 14 LVDS/HSTL Outputs", Part Number=AD9528BCPZ, Pin Count=73, PressFit=No, Sense=No, SMD=Yes, Socket=No
IC35 IC36: "8-Bit, Octal-Channel, Ultra-Low Glitch, Voltage Output, Two-Wire Interface Digital-to-Analog Converter", Case=QFN24, Manufacturer="TEXAS INSTRUMENTS", Author="CERN DEM MR", Bonding=No, ComponentHeight=1mm, Component Type=Standard, CreateDate=14.07.2016, Device=DAC7578SRGE, HelpURL=\\cern.ch\dfs\Applications\Altium\Datasheets\DAC7578SRGE.pdf, LatestRevisionDate=14.07.2016, Manufacturer Part Number=DAC7578SRGE, Mounted=Yes, PackageDescription="QFN, 0.50mm Pitch, Square; 24 Pin, 4.00mm L X 4.00mm W X 1.00mm H body(w/thermal tab 2.8 X 2.8mm), IPC Medium Density", Part Description="12-Bit, Octal-Channel, Ultra-Low Glitch, Voltage Output, Two-Wire Interface Digital-To-Analog Converters", Part Number=DAC7578SRGE, Pin Count=25, PressFit=No, Sense=No, SMD=Yes, Socket=No
IC37: "3-Terminal Regulator 1=IN 2=OUT 3=GND", Case=SOT23, Manufacturer="TEXAS INSTRUMENTS", Author="CERN DEM JLC", Bonding=No, ComponentHeight=1.12mm, Component Type=Standard, CreateDate=19.12.2016, Device=REF3025AIDBZT, HelpURL=\\cern.ch\dfs\Applications\Altium\Datasheets\REF3025AIDBZT.pdf, LatestRevisionDate=19.12.2016, Manufacturer Part Number=REF3025AIDBZT, Mounted=Yes, PackageDescription="SOT, 0.95mm, pitch; 3 pin,1.30mm W X 2.92mm L X 1.12mm H body, IPC Medium Density", Part Description="2.5V, 50ppm/°C Max, 50uA, CMOS Voltage Reference", Part Number=REF3025AIDBZT, Pin Count=3, PressFit=No, Sense=No, SMD=Yes, Socket=No
IC38 IC39: "Digital Temperature Sensor and Thermal Watchdog with Two-Wire Interface", Case=SSOP8, Manufacturer="TEXAS INSTRUMENTS", Author="CERN DEM JLC", ComponentHeight=1.09mm, Component Type=Standard, CreateDate=2012-10-15, Device=LM75AIMM/NOPB, HelpURL=\\cern.ch\dfs\Applications\Altium\Datasheets\LM75AIMM-NOPB.pdf, LatestRevisionDate=2012-10-15, Manufacturer Part Number=LM75AIMM/NOPB, Mounted=Yes, PackageDescription="SOP, 0.65mm pitch; 8 pin,3.00mm W X 3.00mm L X 1.09mm H bodyI, PC Medium Density", Part Description="-25° to +100°C ±2°C Digital Temperature Sensor and Thermal Watchdog with Two-Wire Interface", Part Number=LM75AIMM/NOPB, Pin Count=8, SMD=Yes, Socket=No, Table=Sensors
IC40: "1.7-5.5V 64K I2C Serial EEPROM", Case=DFN8, Manufacturer="MICROCHIP TECHNOLOGY", Author="CERN DEM JLC", ComponentHeight=1.0mm, Component Type=Standard, CreateDate=18/11/2009, Device=24AA64T-I/MC, HelpURL=\\cern.ch\dfs\Applications\Altium\Datasheets\24AA64T-I-MC.pdf, LatestRevisionDate=24/1/2011, Manufacturer Part Number=24AA64T-I/MC, Mounted=Yes, PackageDescription="SON (DFN), 0.50mm pitch, 8 pin, 2mm X 3mm X 1.00mm H body (w/thermal tab 1.75 X 1.55mm),  IPC Medium Density", Part Description="1.7V-5.5V, 64K  (8K x 8-bit) I2C Serial EEPROM", Part Number=24AA64T-I/MC, Pin Count=9, SMD=Yes, Socket=No, Table=Logic
IC41: library part SN65LVDM176, "High Speed Differential Transceiver LVDS/LVTTL", ComponentLink1Description=Datasheet, ComponentLink1URL="C:\TSR\Laurin\Projects\FMC\CERN DAC\Parts\Digital\SN65LVDM176.pdf"
IC42: "Low-Jitter LVDS Fanout Clock Buffers, 10-Output,  Any-Input, Any-Frequency up to 1250MHz", Case=QFN16, Manufacturer="SILICON LABS", Author="CERN DEM MR", Bonding=No, ComponentHeight=0.9mm, Component Type=Standard, CreateDate=04.09.2017, Device=Si53340-B-GM, HelpURL=\\cern.ch\dfs\Applications\Altium\Datasheets\Si53340-B-GM.pdf, LatestRevisionDate=04.09.2017, Manufacturer Part Number=Si53340-B-GM, Mounted=Yes, PackageDescription="QFN, 0.50mm Pitch, Square; 16 Pin, 3.00mm L X 3.00mm W X 0.90mm H Body (w/thermal tab 1.75mm x 1.75mm), IPC Medium Density", Part Description="Low-Jitter LVDS Fanout Clock Buffers, 10-Output,  Any-Input, Any-Frequency up to 1250MHz", Part Number=Si53340-B-GM, Pin Count=17, PressFit=No, Sense=No, SMD=Yes, Socket=No
IC50A IC50B IC50C IC50D: "4-Channel Time-to-Digital Converter", Case=QFN64, Manufacturer="ACAM MESS-ELECTRONIC", Author=GK, Bonding=No, ComponentHeight=1.2mm, Component Type=Standard, CreateDate=05.07.2010, Device=TDC-GPX2, HelpURL=\\cern.ch\dfs\Applications\Altium\Datasheets\TDC-GPX.pdf, LatestRevisionDate=05.07.2010, Manufacturer Part Number=TDC-GPX2, Mounted=Yes, PackageDescription="QFN,0.50mm pitch,square;64 pin,9.00mm L X 9.00mm W X 1.00mm H body (6.15mm X 6.15mm thermal tab), IPC Medium Density", Part Description="4-Channel Time-to-Digital Converter", Part Number=TDC-GPX2, Pin Count=65, PressFit=No, Sense=No, SMD=Yes, Socket=No
IC55: "Dual Bidirectional I2C Bus And SMBus Voltage-Level Translator", Case=SSOP8, Manufacturer="TEXAS INSTRUMENTS", Author="CERN DEM JLC", ComponentHeight=1.3mm, Component Type=Standard, CreateDate=2013-02-25, Device=PCA9306DCTR, HelpURL=\\cern.ch\dfs\Applications\Altium\Datasheets\PCA9306DCTR.pdf, LatestRevisionDate=2013-02-25, Manufacturer Part Number=PCA9306DCTR, Mounted=Yes, PackageDescription="SOP, 0.65mm, Pitch; 8 Pin, 2.80mm W X 2.95mm L X 1.30mm H Body, PC Medium Density", Part Description="Dual Bidirectional I2C Bus And SMBus Voltage-Level Translator", Part Number=PCA9306DCTR, Pin Count=8, SMD=Yes, Socket=No, Table="Analog & Interface"
J8: library part MOLEX_53748-0308, "Connector 30 Male", Manufacturer=MOLEX, Manufacturer Part Number=53748-0308, Author="CERN DEM JLC", ComponentHeight=2.4mm, Component Type=Standard, CreateDate=28.08.2012, Family=SlimStack™, HelpURL=\\cern.ch\dfs\Applications\Altium\Datasheets\MOLEX_53748-0308.pdf, LatestRevisionDate=28.08.2012, Mounted=Yes, Part Description="0.50mm Pitch SlimStack™ Dual Row 30 Circuits Surface Mount Vertical Plug (3.00 Stacking Heights)", Part Number=MOLEX_53748-0308, Pin Count=30, PressFit=No, Sense=No, SMD=Yes, Socket=No, Status=None
J9 J10: library part "HUBER-SUHNER_85_MMCX-50-0-1/111 OH", Manufacturer=HUBER+SUHNER, Manufacturer Part Number="85_MMCX-50-0-1/111 OH", Author="CERN DEM JLC", ComponentHeight=9.6mm, Component Type=Standard, CreateDate=2011-10-04, Family=MMCX, HelpURL="\\cern.ch\dfs\Applications\Altium\Datasheets\HUBER-SUHNER_85_MMCX-50-0-1-111 OH.pdf", LatestRevisionDate=2011-10-04, Mounted=Yes, Part Description="MMCX 50 Ohms Right Angle PCB Jack", Part Number="HUBER-SUHNER_85_MMCX-50-0-1/111 OH", Pin Count=2, SMD=No, Socket=No, Status=None, Table=Miscellaneous
J11: library part SAMTEC_ASP-134488-01, "Connector VITA 57, 400 Male contacts in 10 row abcdefghj", Manufacturer=SAMTEC, Manufacturer Part Number=ASP-134488-01, Author="CERN DEM JLC", ComponentHeight=6.1mm, Component Type=Standard, CreateDate=30/04/2009, Family="VITA 57", HelpURL=\\cern.ch\dfs\Applications\Altium\Datasheets\SAMTEC_ASP-134488-01.pdf, LatestRevisionDate=17/08/2009, Mounted=Yes, Part Description="400 contacts (10 rows abcdefghj) Surface Mount Male Connector, VITA 57 (MC-HPC-10)", Part Number=SAMTEC_ASP-134488-01, Pin Count=400, SMD=Yes, Socket=No, Status=None, Table=SAMTEC
J12 J13: library part TYCO_1761987-7, "26 Position Mini-Sas Connector (Quad Small Form-Factor SFF-8088)", Manufacturer="TYCO ELECTRONICS", Manufacturer Part Number=1761987-7, Author="CERN DEM MR", ComponentHeight=5.55mm, Component Type=Standard, CreateDate=24.04.2019, Family=Mini-SAS, HelpURL=\\cern.ch\dfs\Applications\Altium\Datasheets\TYCO_1761987-7.pdf, LatestRevisionDate=24.04.2019, Mounted=Yes, Part Description="Surface Mount EVERCLEAR Mini-SAS Right Angle Receptacle (Quad Small Form-Factor SFF-8088)", Part Number=TYCO_1761987-7, Pin Count=26, PressFit=No, Sense=No, SMD=Yes, Socket=No, Status=None
L7A L7B L14: library part IND0402_MURATA_BLM15HD601SN1, Case=0402, Manufacturer=MURATA, Manufacturer Part Number=BLM15HD601SN1D, Power=300mA, Resistance=0.85R, Tolerance=±25%, Author="CERN DEM JLC", ComponentHeight=0.55mm, Component Type=Standard, CreateDate=28.02.2012, HelpURL=\\cern.ch\dfs\Applications\Altium\Datasheets\IND0402_MURATA_BLM15H.pdf, LatestRevisionDate=25.10.2018, Mounted=Yes, Part Description="SMD EMIFIL Suppression Chip Ferrite Bead", Part Number=IND0402_MURATA_BLM15HD601SN1, Pin Count=2, Sense=No, SMD=Yes, Socket=No, Status=None
L8: library part IND0603_MURATA_BLM18SG121TN1D, "Inductor", Case=0603, Manufacturer=MURATA, Manufacturer Part Number=BLM18SG121TN1D, Power=3A, Resistance=0.025R, Tolerance=±25%, Author="CERN DEM JLC", ComponentHeight=0.65mm, Component Type=Standard, CreateDate=23.07.2014, HelpURL=\\cern.ch\dfs\Applications\Altium\Datasheets\IND0603_MURATA_BLM18S.pdf, LatestRevisionDate=23.07.2014, Mounted=Yes, Part Description="SMD EMIFIL Suppression Chip Ferrite Bead", Part Number=IND0603_MURATA_BLM18SG121TN1D, Pin Count=2, Sense=No, SMD=Yes, Socket=No, Status=None
L37 L38 L39 L40 L41 L42 L43 L44 L45 L46 L47 L48 L49 L50 L51 L52: library part IND_MURATA_DLW21SN900SQ2L, "Inductor Common Mode", Case=0805, Manufacturer=MURATA, Manufacturer Part Number=DLW21SN900SQ2L, Power=330mA, Resistance=0.35R, Tolerance=±25%, Author="CERN DEM JLC", ComponentHeight=1.4mm, Component Type=Standard, CreateDate=01.07.2014, HelpURL=\\cern.ch\dfs\Applications\Altium\Datasheets\IND_MURATA_DLW21S.pdf, LatestRevisionDate=01.07.2014, Mounted=Yes, Part Description="Wire Wound Common Mode Choke Coil (DLW21S Series)", Part Number=IND_MURATA_DLW21SN900SQ2L, Pin Count=4, Sense=No, SMD=Yes, Socket=No, Status=None
OSC2: "VCXO 100MHz Oscillator", Manufacturer=ABRACON, Manufacturer Part Number=ASG-P-V-A-100.000MHZ, Part Number=OSC_100MHZ_ABRACON_ASG-P-V-A-100.000MHZ, Author=GK, Bonding=No, ComponentHeight=1.9mm, Component Type=Standard, CreateDate=20.04.2016, HelpURL=\\cern.ch\dfs\Applications\Altium\Datasheets\OSC_ABRACON_ASG-D.pdf, LatestRevisionDate=20.04.2016, Mounted=Yes, PackageDescription="Oscillator, side concave; 2.54mm pitch; 6 pin, 5.00mm L X 7.00mm W X 1.90mm H, IPC Medium Density", Part Description="Stability: ± 50ppm, -40°C to +85°C, Programmable - High Performance SMD XO, LVPECL Output, ASG-P Series", Pin Count=6, PressFit=No, Sense=No, SMD=Yes, Socket=No